# Altium PCB FPGA1.PcbDoc (part 3 of 5)
Units mm, origin at the board's own origin, x right, y up, seen from the top; angles counter-clockwise.
Board outline 170.31 x 110.11 mm, 2 copper layers (Top Layer, Bottom Layer); 219 components, 292 nets, 1138 pads, 447 vias.
Unrouted connection lines stored in the file: 389.
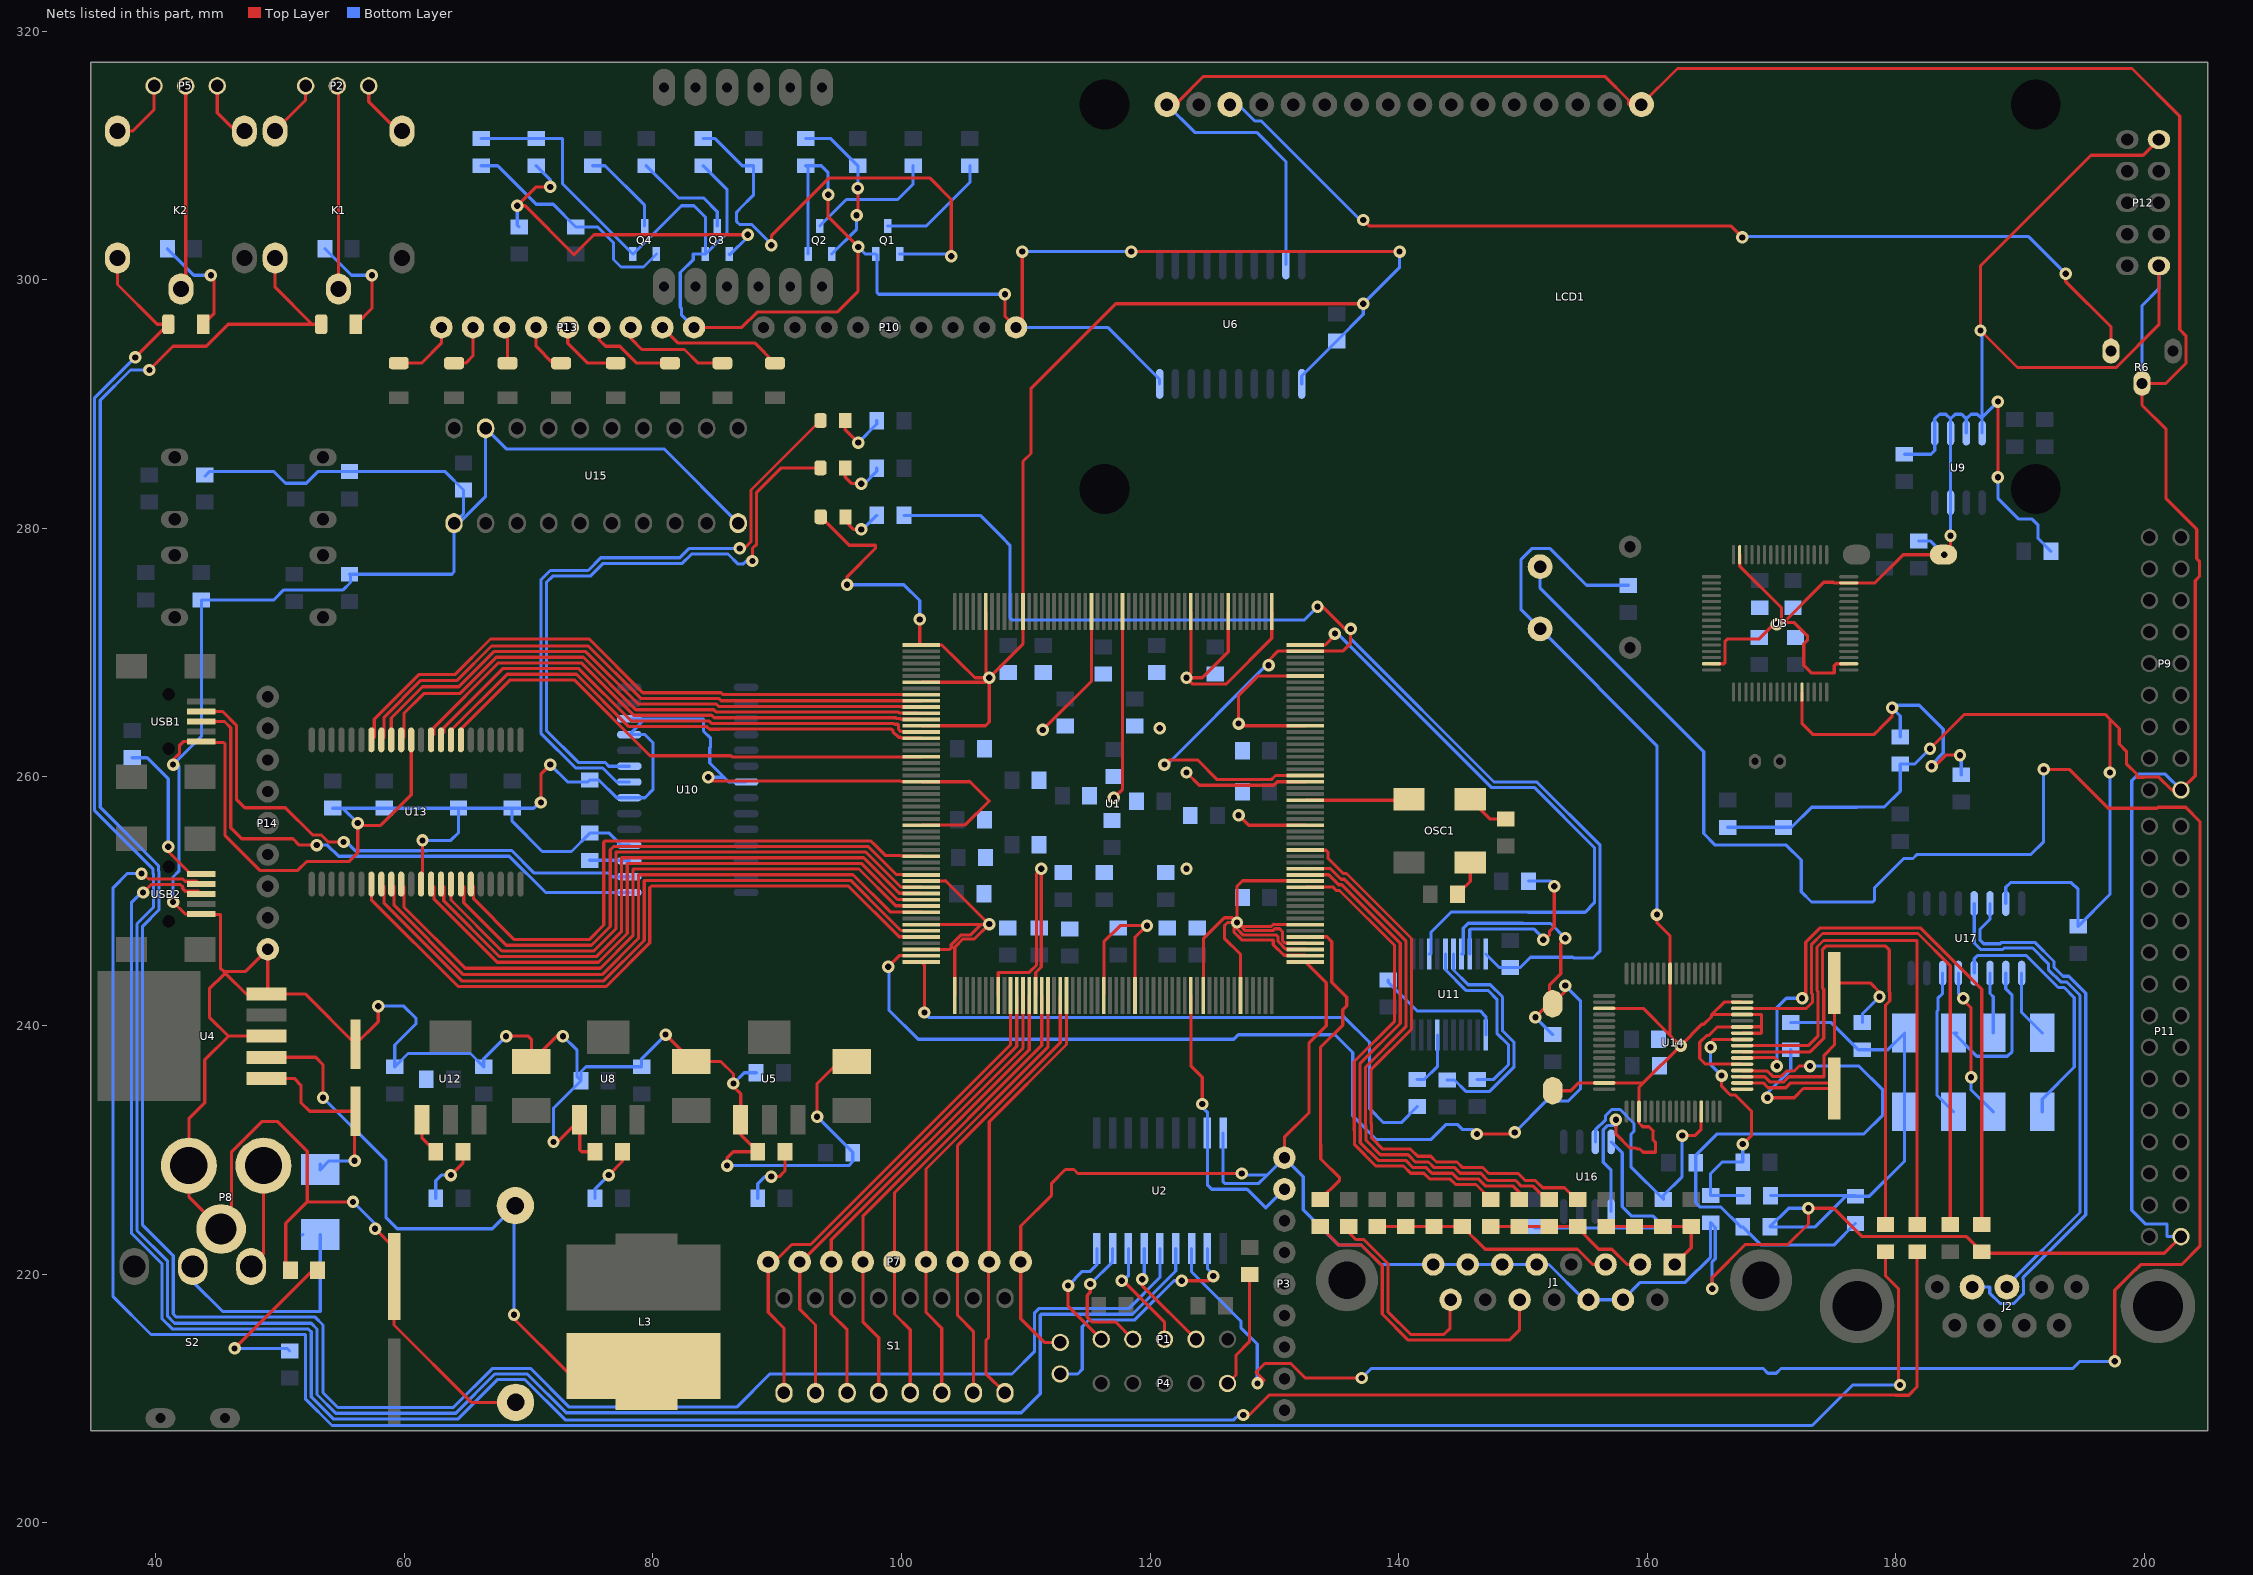
[diagram p3: the nets of this part, all layers, seen from the top]

## Via types
v1: diameter 1, hole 0.5, Top Layer to Bottom Layer, 447 vias

## Nets (pads, with @x,y where several pads share a name; then routed paths per layer and width w, separated by ;. In a path a pad name is that pad's centre, name@x,y a point inside that pad or via, vN(x,y) a via of type N, cw(c..) or ccw(c..) an arc to the next point about the centre after c; other vN are vias at no path point) (continued)
GND: C1.1 C2.1 C3.1 C4.1 C5.1 C6.1 C7.1 C8.1 C9.1 C10.1 C11.1 C12.1 C13.1 C14.1 C15.1 C16.1 C17.1 C18.1 C19.1 C20.1 C21.1 C22.1 C23.1 C24.1 C25.1 C26.1 C27.1 C28.1 C29.1 C30.1 C31.1 C32.1 C33.1 C35.1 C36.1 C37.1 C38.1 C39.1 C40.1 C41.1 C42.1 C43.2 C44.1 C45.1 C46.2 C47.1 C48.1 C49.1 C50.1 C51.1 C52.1 C53.2 C54.1 C55.1 C56.1 C57.1 C58.2 C59.2 C60.1 C61.1 C62.1 C63.1 C64.1 C65.1 C70.2 C72.1 C74.1 C75.1 C76.1 C77.1 C78.1 D4.2 D5.1 D6.2 D7.2 D8.2 D11.2 DC_MOTOR.1 J1.5 J1.6 J1.7 J1.8 J1.10 J1.11 L2.1 LCD1.1 LCD1.16 LS1.1 OSC1.2 P3.9 P4.5 P7.9 P8.1 P9.18 P10.9 P11.28 P12.2 P12.10 P13.9 P14.9 Q1.1 Q2.1 Q3.1 Q4.1 R3.1 R6.2 R9.1 R15.2 R16.2 R21.2 R22.2 R36.1 R39.1 R40.1 R41.1 R42.1 R51.1 S3.1 S5.2 U1.1 U1.8 U1.14 U1.25 U1.30 U1.41 U1.47 U1.53 U1.54 U1.55 U1.56 U1.59 U1.66 U1.75 U1.82 U1.91 U1.99 U1.105 U1.112 U1.118 U1.129 U1.134 U1.145 U1.151 U1.157 U1.163 U1.170 U1.179 U1.186 U1.195 U1.202 U1.206 U2.9 U3.18 U3.31 U3.47 U3.63 U4.3 U4.5 U5.1 U6.1 U6.10 U6.19 U8.1 U9.1 U9.2 U9.3 U9.4 U9.7 U10.7 U10.18 U10.21 U10.25 U10.26 U11.11 U12.1 U13.12 U13.34 U14.1 U14.5 U14.10 U14.11 U14.13 U14.15 U14.25 U14.35 U14.47 U14.51 U15.1 U15.10 U15.19 U16.5 U17.15 USB1.5 USB2.5 | length 1685.7
  Top Layer w0.254: v1(41.402,249.936) 42.362,248.976 USB2.5@43.661,248.976 43.717,248.92 45.212,248.92 45.212,244.602 45.466,244.348 47.244,244.348 P14.9@49.022,246.126 49.022,242.636 U4.5@48.926,242.54 ; v1(41.402,260.985) 41.402,261.366 41.91,261.874 41.91,262.509 42.256,262.855 USB1.5@43.661,262.855 43.753,262.763 45.466,262.763 45.592,262.637 45.592,255.271 48.387,252.476 51.428,252.476 52.136,253.184 55.538,253.184 56.261,253.907 v1(56.261,256.286) 56.451,256.096 58.102,256.096 60.56,258.553 U13.12@60.56,262.975 ; U4.3@48.926,239.14 45.859,239.14 ; D4.2@50.47,220.32 50.47,224.079 52.197,225.806 ; v1(55.88,225.806) 52.197,225.806 ; v1(57.658,223.647) 59.182,222.123 C36.1@59.182,219.786 59.182,215.9 65.405,209.677 D5.1@68.961,209.677 ; v1(57.912,241.554) 57.912,240.309 C35.1@56.083,238.481 52.024,242.54 U4.5@48.926,242.54 ; U13.34@61.36,251.375 61.468,251.483 v1(61.468,254.889) ; U12.1@61.417,232.41 61.417,230.962 D11.2@62.535,229.845 D11.2@62.433,229.743 ; v1(68.199,239.141) 69.977,239.141 70.229,238.889 C53.2@70.229,237.1 72.27,239.141 v1(72.771,239.141) ; v1(70.993,257.937) 70.993,260.223 v1(71.755,260.985) ; v1(72.009,230.632) 72.339,230.632 U8.1@74.117,232.41 74.117,229.997 74.27,229.845 D6.2@75.362,229.845 ; v1(81.026,239.268) 83.095,237.199 C46.2@83.095,237.1 85.48,237.1 86.487,236.093 v1(86.487,235.331) 86.487,235.077 87.071,234.493 U5.1@87.071,232.41 87.071,231.216 D7.2@88.443,229.845 86.462,229.845 85.979,229.362 v1(85.979,228.727) ; P13.9@83.312,296.164 87.165,296.164 88.392,297.391 94.826,297.391 96.52,299.085 v1(96.52,302.641) 94.107,305.054 v1(94.107,306.832) ; v1(84.455,259.969) 84.455,259.669 99.928,259.669 99.96,259.637 101.572,259.637 U1.179@101.595,259.614 105.447,259.614 105.479,259.646 107.061,258.064 105.134,256.137 101.618,256.137 U1.186@101.595,256.114 ; v1(93.218,232.664) 93.218,235.331 94.987,237.1 C43.2@96.01,237.1 ; D8.2@93.504,280.924 95.79,278.638 97.917,278.638 97.917,278.384 95.631,276.098 v1(95.631,275.463) ; v1(101.473,272.669) 101.473,270.736 U1.157@101.595,270.614 103.247,270.614 104.559,269.302 104.586,269.302 105.918,267.97 v1(107.061,267.97) ; U1.206@101.595,246.114 103.874,246.114 104.013,246.253 104.013,246.507 104.775,247.269 105.537,247.269 106.382,248.114 ; U1.202@101.595,248.114 106.382,248.114 ; U1.195@101.595,251.614 103.517,251.614 103.549,251.646 107.049,248.146 v1@107.017,248.114 ; U1.170@101.595,264.114 106.761,264.114 107.061,264.414 v1(107.061,267.97) ; U1.163@101.595,267.614 106.705,267.614 v1(107.061,267.97) ; U1.1@104.291,242.411 104.291,246.304 104.94,246.953 105.856,246.953 v1@107.017,248.114 ; U1.151@106.794,273.336 106.794,268.237 v1(107.061,267.97) ; U1.8@107.785,242.411 107.785,244.238 107.817,244.27 110.285,244.27 110.871,244.856 110.871,252.222 v1(111.252,252.603) 111.252,244.705 110.808,244.261 110.808,242.434 U1.14@110.785,242.411 ; v1(108.331,298.831) 108.331,297.053 P10.9@109.22,296.164 109.728,296.672 v1(109.728,302.26) ; U1.145@109.785,273.304 U1.145@109.785,273.327 ; v1(111.379,263.779) 115.294,267.694 U1.134@115.294,273.336 ; DC_MOTOR.1@112.903,214.503 111.506,214.503 109.601,216.408 P7.9@109.601,220.98 109.601,223.867 112.087,226.353 112.087,227.303 113.195,228.411 113.881,228.411 114.2,228.092 v1(127.381,228.092) ; U1.25@116.294,242.443 116.294,246.723 117.602,248.031 v1@119.732,248.031 ; v1(117.094,258.318) 117.794,259.018 U1.129@117.794,273.336 ; v1(118.491,302.26) v1(140.081,302.26) ; U1.30@118.794,242.443 118.794,247.093 v1@119.732,248.031 ; v1(119.761,248.031) v1@119.732,248.031 ; LCD1.1@121.362,314.09 122.301,314.09 122.301,314.356 124.302,316.357 156.597,316.357 158.496,314.458 158.496,314.09 LCD1.16@159.537,314.09 162.439,316.992 199.009,316.992 202.849,313.152 202.849,295.992 203.338,295.503 203.338,293.254 201.743,291.659 R6.2@199.811,291.659 199.811,289.908 201.749,287.97 201.749,282.375 204.216,279.908 204.216,277.557 204.427,277.346 204.427,276.12 204.089,275.782 204.089,260.096 P9.18@202.946,258.953 202.184,258.953 201.157,259.98 199.981,259.98 199.97,259.969 199.408,259.969 199.408,260.198 198.555,261.051 198.555,262.06 197.974,262.641 197.974,263.897 197.231,264.64 ; v1(122.936,260.35) 123.963,259.323 129.944,259.323 130.235,259.614 U1.82@132.485,259.614 ; U1.118@123.294,273.336 123.294,268.328 v1(122.936,267.97) ; U1.41@124.294,242.443 124.294,246.976 125.984,248.666 126.619,248.666 v1(127,248.285) ; P4.5@126.238,211.201 126.916,211.879 126.916,213.483 128.016,214.583 C19.1@128.016,219.964 ; U1.112@126.294,273.336 126.294,270.058 124.206,267.97 v1(122.936,267.97) ; v1(127.127,256.921) 127.934,256.114 U1.75@132.485,256.114 ; U1.47@127.271,242.42 127.294,242.443 127.294,245.705 125.984,247.015 125.984,248.031 126.238,248.285 v1(127,248.285) ; U1.105@129.794,273.336 129.794,271.145 126.111,267.462 123.444,267.462 v1(122.936,267.97) ; P3.9@130.81,229.362 130.81,231.013 132.798,233.001 132.798,238.603 134.174,239.979 134.174,243.425 U1.53@132.485,245.114 ; U1.53@132.485,245.146 U1.53@132.494,245.146 ; U1.59@132.485,248.114 131.064,248.114 131.041,248.137 129.945,248.137 129.936,248.146 129.756,247.966 v1@127.319,247.966 ; U1.66@132.485,251.614 132.462,251.637 127.449,251.637 127.44,251.646 127,251.206 v1(127,248.285) ; U1.91@132.485,264.114 127.3,264.114 v1(127.127,264.287) 127.127,266.573 128.7,268.146 128.732,268.114 U1.99@132.485,268.114 ; U1.54@132.494,245.646 130.782,245.646 129.921,246.507 129.921,246.888 127.381,246.888 126.746,247.523 126.746,248.031 v1(127,248.285) ; U1.55@132.494,246.146 130.917,246.146 130.302,246.761 130.302,247.142 130.175,247.269 127.508,247.269 127,247.777 v1(127,248.285) ; U1.56@132.508,246.637 U1.56@132.485,246.614 132.485,246.637 130.85,246.637 130.658,246.829 130.658,247.548 130.429,247.777 130.048,247.777 129.921,247.65 127.635,247.65 v1@127.319,247.966 ; v1(137.16,298.069) 117.235,298.069 110.436,291.27 110.436,286.19 110.423,286.177 110.423,286.016 109.785,285.378 U1.145@109.785,273.327 ; OSC1.2@145.763,258.191 147.338,256.616 C76.1@148.615,256.616 ; S5.2@152.4,234.752 153.853,234.752 154.48,235.379 U14.47@156.54,235.379 159.687,235.379 ; U14.35@156.54,241.379 159.687,241.379 161.84,239.226 ; v1(157.48,232.41) 157.48,231.274 158.611,230.143 159.085,230.143 159.169,230.059 159.423,230.059 159.682,229.8 160.655,229.8 160.655,230.605 160.463,230.797 160.463,231.483 160.487,231.507 160.142,231.852 159.642,231.852 159.34,232.154 U14.51@159.34,233.079 159.34,235.032 159.687,235.379 ; v1(160.782,248.92) 160.782,248.285 161.84,247.227 U14.25@161.84,244.179 161.84,239.226 ; U3.63@165.167,269.101 166.17,269.101 166.269,269.2 166.269,270.914 166.438,271.083 168.975,271.083 170.307,272.415 v1(170.434,272.288) 170.688,272.288 v1@170.815,272.415 ; v1(165.227,218.821) 165.227,219.71 167.894,222.377 171.323,222.377 172.974,224.028 v1(172.974,225.298) 175.006,225.298 177.292,223.012 185.699,223.012 R51.1@186.919,221.793 187.039,221.672 201.606,221.672 P11.28@202.946,223.012 ; U3.47@167.442,277.876 167.442,276.958 170.815,273.585 v1@170.815,272.415 ; U14.5@167.64,236.879 167.617,236.902 164.672,236.902 164.23,237.344 164.23,238.638 164.776,239.184 164.93,239.184 165.625,239.879 U14.11@167.64,239.879 167.663,239.902 168.589,239.902 ; U14.10@167.64,239.379 169.148,239.379 169.204,239.435 169.204,239.863 ; U14.15@167.64,241.879 166.187,241.879 165.187,240.879 ; 168.589,239.903 169.164,239.903 169.204,239.863 ; U3.18@176.217,269.101 175.211,269.101 175.048,268.938 175.048,268.347 173.232,268.347 172.593,268.986 172.593,270.686 172.892,270.985 172.892,271.361 171.838,272.415 170.969,272.415 ; v1(182.753,262.255) 185.528,265.03 196.841,265.03 197.231,264.64 ; v1(184.404,279.4) 184.404,278.44 S3.1@183.84,277.876 180.587,277.876 178.312,275.601 U3.31@176.217,275.601 175.022,275.601 174.968,275.655 174.209,275.655 170.969,272.415 ; v1(188.214,284.099) v1(188.214,290.195) ; v1(197.231,260.35) 197.231,264.64 ; P12.10@201.168,301.117 201.168,296.364 197.736,292.932 189.795,292.932 v1(186.817,295.91) 186.817,301.117 195.707,310.007 199.898,310.007 P12.2@201.168,311.277 ; 45.859,239.14 43.953,237.234 43.953,233.78 42.672,232.499 P8.1@42.672,228.727 42.672,226.227 P8.1@45.272,223.627 46.101,224.456 46.101,227.654 46.095,227.66 46.095,229.8 48.578,232.283 49.784,232.283 52.197,229.87 52.197,225.806 ; 45.859,239.14 44.323,240.676 44.323,242.951 45.466,244.094 45.72,244.094 47.274,242.54 U4.5@48.926,242.54 ; 106.382,248.114 v1@107.017,248.114 ; v1(107.061,267.97) 109.771,270.68 109.771,273.313 U1.145@109.785,273.327 ; v1(127,248.285) v1@127.319,247.966 ; 159.687,235.379 v1(162.687,238.379) ; 161.84,239.226 v1(162.687,238.379) ; v1(162.687,238.379) 164.4,240.092 164.554,240.092 165.187,240.725 165.187,240.879 ; 165.187,240.879 U14.13@167.64,240.879 169.204,240.879 169.204,239.863 ; v1@170.815,272.415 170.969,272.415
  Bottom Layer w0.254: v1(41.402,249.936) 41.402,251.947 41.888,252.433 41.888,260.858 ; v1(41.402,260.985) 43.686,263.269 R39.1@43.686,274.244 49.52,274.244 50.32,275.044 55.08,275.044 55.677,275.641 R40.1@55.677,276.301 ; R41.1@43.967,284.201 44.323,284.556 49.52,284.556 50.447,283.629 52.118,283.629 53.045,284.556 R42.1@55.601,284.556 63.297,284.556 C70.2@64.77,283.083 64.77,281.178 U15.1@64.008,280.416 ; C57.1@54.254,257.48 55.067,257.48 ; R40.1@55.601,276.301 R40.1@55.677,276.301 ; v1(55.88,225.806) 57.658,224.028 v1(57.658,223.647) ; v1(56.261,256.286) 55.067,257.48 ; v1(57.912,241.554) 59.971,241.554 60.96,240.565 60.96,240.157 59.233,238.43 R36.1@59.233,236.677 60.3,237.744 65.329,237.744 C55.1@66.396,236.677 66.396,237.338 v1(68.199,239.141) ; v1(61.468,254.889) 63.754,254.889 64.364,255.499 C58.2@64.364,257.48 ; R22.2@66.192,311.353 R21.2@70.612,311.353 72.72,311.353 72.72,307.742 Q4.1@78.394,302.068 78.431,302.068 82.306,305.943 83.312,305.943 84.236,305.019 Q3.1@84.236,302.068 ; v1(70.993,257.937) 70.866,257.937 70.409,257.48 C59.2@68.682,257.48 ; v1(71.755,260.985) 73.152,259.588 74.778,259.588 C51.1@74.93,259.74 75.667,259.74 77.089,258.318 U10.21@78.104,258.318 79.375,258.318 80.01,258.953 80.01,262.763 79.375,263.398 U10.25@78.104,263.398 79.374,264.668 ; v1(72.009,230.632) 72.009,233.35 C48.1@74.219,235.56 ; v1(72.771,239.141) 73.914,237.998 73.914,235.864 C48.1@74.219,235.56 ; U10.18@78.104,254.508 77.47,254.508 76.505,255.473 C52.1@74.93,255.473 73.457,254 71.12,254 68.682,256.438 C59.2@68.682,257.48 ; U10.26@78.104,264.668 79.374,264.668 ; v1(81.026,239.268) 79.096,237.338 C49.1@79.096,236.677 74.625,236.677 74.219,236.271 C48.1@74.219,235.56 ; P13.9@83.312,296.164 82.296,297.18 82.296,297.706 82.212,297.79 82.212,300.574 83.247,301.609 83.247,302.068 Q3.1@84.236,302.068 ; R15.2@84.049,309.169 85.979,307.238 85.979,303.774 84.273,302.068 Q3.1@84.236,302.068 ; v1(84.455,259.969) 85.725,259.969 ; v1(85.979,228.727) 95.758,228.727 96.088,229.057 C45.1@96.088,229.768 96.088,229.794 v1(93.218,232.664) ; v1(86.487,235.331) 87.351,236.195 C44.1@88.316,236.195 ; U15.10@86.868,280.416 80.899,286.385 68.199,286.385 U15.19@66.548,288.036 66.548,282.575 64.389,280.416 U15.1@64.008,280.416 ; U10.7@87.504,259.588 86.106,259.588 85.725,259.969 ; Q2.1@92.491,302.068 92.491,308.981 R16.2@92.304,309.169 93.548,309.169 94.107,308.61 v1(94.107,306.832) ; v1(95.631,275.463) 100.203,275.463 101.473,274.193 v1(101.473,272.669) ; v1(96.52,302.641) 97.093,302.068 Q1.1@97.952,302.068 98.044,301.976 98.044,298.958 98.171,298.831 v1(108.331,298.831) ; P10.9@109.474,295.91 P10.9@109.22,296.164 116.586,296.164 120.777,291.973 U6.10@120.777,291.618 ; v1(109.728,302.26) v1(118.491,302.26) ; LCD1.1@121.362,314.09 123.597,311.855 128.581,311.855 130.937,309.499 U6.19@130.937,301.218 ; U2.9@125.882,231.347 125.882,227.432 126.038,227.276 128.724,227.276 129.413,227.965 ; v1@127.508,228.219 127.762,227.965 129.413,227.965 ; U6.1@132.207,291.618 132.207,292.252 C42.1@135.026,295.072 137.16,297.205 v1(137.16,298.069) 140.081,300.99 v1(140.081,302.26) ; C50.1@139.167,243.662 139.167,243.491 141.485,241.173 146.558,241.173 147.019,240.712 U11.11@147.019,239.241 ; U16.5@157.099,225.038 157.099,228.346 156.464,228.981 156.464,231.59 156.472,231.582 156.472,231.598 156.839,231.965 157.359,231.965 157.48,231.844 v1(157.48,232.41) ; R9.1@158.471,275.412 155.118,275.412 152.146,278.384 150.749,278.384 149.86,277.495 149.86,273.431 LS1.1@151.384,271.907 160.782,262.509 v1(160.782,248.92) ; v1(165.227,218.821) 165.227,220.98 165.481,221.234 165.481,223.749 C64.1@165.1,224.13 165.1,221.361 163.068,219.329 159.448,219.329 J1.10@158.051,217.932 J1.11@155.279,217.932 154.94,217.932 152.1,220.772 J1.5@151.109,220.772 J1.6@148.336,220.772 J1.7@145.563,220.772 J1.8@142.79,220.772 138.576,220.772 137.019,222.329 135.176,222.329 132.334,225.171 132.334,227.838 P3.9@130.81,229.362 129.413,227.965 ; C24.1@166.472,255.942 C33.1@170.967,255.942 171.614,255.942 173.228,257.556 176.886,257.556 178.562,257.581 179.095,257.581 180.365,258.851 L2.1@180.365,261.036 181.534,261.036 v1(182.753,262.255) ; C62.1@169.926,226.314 176.708,226.314 C65.1@176.759,226.263 ; C75.1@171.552,240.233 174.803,240.233 176.987,238.049 C78.1@177.317,238.049 179.368,238.049 C72.1@180.712,239.393 C77.1@180.712,233.043 180.712,229.099 177.876,226.263 C65.1@176.759,226.263 ; v1(172.974,225.298) 171.374,225.298 C63.1@169.875,223.799 173.507,223.799 175.971,226.263 C65.1@176.759,226.263 ; C47.1@180.696,285.953 182.829,285.953 183.134,286.258 U9.1@183.134,287.661 183.134,288.798 183.515,289.179 184.023,289.179 184.404,288.798 ; C41.1@181.839,278.968 182.804,278.968 v1(183.896,277.876) ; v1(184.404,279.4) U9.7@184.404,282.061 U9.2@184.404,287.661 184.404,288.798 ; U9.3@185.674,287.661 185.674,288.798 ; v1(186.817,295.91) 186.944,295.783 186.944,288.925 ; U9.4@186.944,287.661 186.944,288.798 ; v1@188.214,283.845 188.214,282.423 189.902,280.735 190.97,280.735 191.454,280.251 191.454,279.183 R3.1@192.481,278.155 ; v1(188.214,290.195) 186.944,288.925 ; U17.15@188.849,249.815 188.849,251.114 189.23,251.495 194.129,251.495 194.666,250.958 C74.1@194.666,247.98 197.231,250.546 v1(197.231,260.35) ; R6.2@199.811,291.659 199.811,297.902 201.168,299.259 P12.10@201.168,301.117 ; P11.28@202.946,223.012 201.833,223.012 201.833,224.039 200.067,224.039 198.979,225.127 198.979,259.685 199.517,260.223 201.676,260.223 P9.18@202.946,258.953 ; 55.067,257.48 C56.1@58.395,257.48 C58.2@64.364,257.48 ; R40.1@55.677,276.301 63.83,276.301 64.008,276.479 U15.1@64.008,280.416 ; C58.2@64.364,257.48 C59.2@68.682,257.48 ; 79.374,264.668 84.074,264.668 84.074,263.679 84.647,263.106 84.647,262.42 84.582,262.355 84.582,261.112 85.725,259.969 ; 184.404,288.798 184.785,289.179 185.293,289.179 185.674,288.798 ; 185.674,288.798 186.055,289.179 186.563,289.179 186.944,288.798 ; 186.944,288.798 186.944,288.925
  other v1: 107.061,248.158 122.936,252.603 120.777,263.906
GNDA: C34.1 L2.2 U3.12 | length 26.7
  Top Layer w0.254: U3.12@172.442,266.826 172.442,264.304 173.326,263.42 178.281,263.42 178.748,263.887 178.748,263.914 179.705,264.871 v1(179.705,265.557) ; v1(182.88,260.858) 183.134,260.858 184.023,261.747 v1(185.166,261.747)
  Bottom Layer w0.254: L2.2@180.365,263.22 180.365,264.897 v1(179.705,265.557) 179.915,265.767 181.901,265.767 183.823,263.845 183.823,261.928 182.88,260.985 v1(182.88,260.858) ; v1(185.166,261.747) 185.268,261.645 C34.1@185.268,260.172
GREEN0: R54.2 U1.71 | length 47.7
  Top Layer w0.254: U1.71@132.485,254.114 132.499,254.1 134.152,254.1 134.321,253.931 134.321,253.452 135.55,252.223 135.812,252.223 141.038,246.997 141.038,239.71 137.792,236.464 137.792,232.129 137.828,232.093 137.828,230.953 138.727,230.054 140.955,230.054 141.536,229.473 142.596,229.473 143.05,229.019 144.694,229.019 145.148,228.565 146.792,228.565 147.265,228.092 149.625,228.092 150.187,227.53 151.008,227.53 151.592,226.946 153.343,226.946 R54.2@154.28,226.009
GREEN1: R53.2 U1.68 | length 44.5
  Top Layer w0.254: U1.68@132.485,252.614 132.508,252.637 134.476,252.637 134.485,252.646 135.362,251.769 135.624,251.769 140.584,246.809 140.584,239.898 137.338,236.652 137.338,231.941 137.374,231.905 137.374,230.765 138.539,229.6 140.767,229.6 141.348,229.019 142.408,229.019 142.862,228.565 144.506,228.565 144.96,228.111 146.604,228.111 147.185,227.53 149.413,227.53 149.867,227.076 150.82,227.076 151.886,226.009 R53.2@151.994,226.009
GREEN2: R52.2 U1.67 | length 42.4
  Top Layer w0.254: U1.67@132.485,252.114 132.494,252.123 134.366,252.123 135.174,251.315 135.436,251.315 140.13,246.621 140.13,240.157 136.884,236.91 136.884,231.753 136.92,231.717 136.92,230.577 138.351,229.146 140.579,229.146 141.16,228.565 142.22,228.565 142.674,228.111 144.318,228.111 144.772,227.657 146.416,227.657 146.997,227.076 149.225,227.076 149.708,226.593 R52.2@149.708,226.009
GREEN3: R50.2 U1.65 | length 39.3
  Top Layer w0.254: U1.65@132.485,251.114 132.508,251.137 134.692,251.137 134.701,251.146 134.986,250.861 135.248,250.861 139.676,246.433 139.676,240.345 136.43,237.098 136.43,231.565 136.466,231.529 136.466,230.389 138.163,228.692 140.391,228.692 140.972,228.111 142.032,228.111 142.486,227.657 144.13,227.657 144.584,227.203 146.228,227.203 R50.2@147.422,226.009
HSYNC: R37.2 U1.57 | length 25.7
  Top Layer w0.254: U1.57@132.485,247.114 132.508,247.137 134.239,247.137 134.628,246.748 134.628,243.478 135.828,242.278 135.828,241.592 135.509,241.273 135.509,240.03 133.706,238.227 133.706,230.437 133.742,230.401 133.742,229.339 133.706,229.303 133.706,229.297 135.255,227.748 135.255,227.559 R37.2@133.706,226.009
I/O_P79_GCLK0: OSC1.3 U1.79 | length 8.4
  Top Layer w0.254: U1.79@132.485,258.114 140.788,258.114 140.843,258.169 OSC1.3@140.843,258.191
INT_B_83: R27.1 R31.1 U1.83 U1.103 U11.10 | length 123
  Top Layer w0.254: v1(121.158,260.985) 121.539,261.366 123.825,261.366 125.414,259.777 129.756,259.777 130.093,260.114 U1.83@132.485,260.114 ; v1(129.54,268.986) 129.54,269.367 130.287,270.114 U1.103@132.485,270.114 135.494,270.114 136.144,270.764 v1(136.144,271.907) 135.663,271.907 133.885,273.685 v1(133.477,273.685)
  Bottom Layer w0.254: R31.1@100.199,281.04 106.337,281.04 108.269,279.108 108.269,279.1 108.731,278.638 108.731,272.777 108.874,272.634 132.426,272.634 v1(133.477,273.685) ; v1(121.158,260.985) 121.366,260.985 129.24,268.859 v1@129.413,268.859 ; v1(136.144,271.907) 136.144,271.118 147.674,259.588 151.13,259.588 156.21,254.508 156.21,245.999 155.637,245.426 154.089,245.426 154.024,245.491 150.608,245.491 149.77,244.653 R27.1@148.996,244.653 148.113,244.653 U11.10@147.019,245.747
IO0: U1.175 U13.7 | length 42.1
  Top Layer w0.254: U13.7@64.56,262.975 64.56,263.83 68.535,267.805 73.673,267.805 79.774,261.704 86.283,261.704 86.387,261.6 101.581,261.6 U1.175@101.595,261.614
IO1: U1.172 U13.8 | length 42.7
  Top Layer w0.254: U13.8@63.76,262.975 63.76,263.741 68.278,268.259 73.861,268.259 78.076,264.044 84.351,264.044 84.562,263.833 85.371,263.833 85.382,263.844 99.184,263.844 99.253,263.775 99.314,263.775 99.314,263.641 99.772,263.183 99.914,263.183 99.96,263.137 101.572,263.137 U1.172@101.595,263.114